# Altium PCB WiPy_uEval.PcbDoc
Units mm, origin at the board's own origin, x right, y up, seen from the top; angles counter-clockwise.
Board outline 45 x 60 mm, 2 copper layers (Top Layer, Bottom Layer), stack 1.621 mm thick; 56 components, 55 nets, 244 pads, 196 vias.
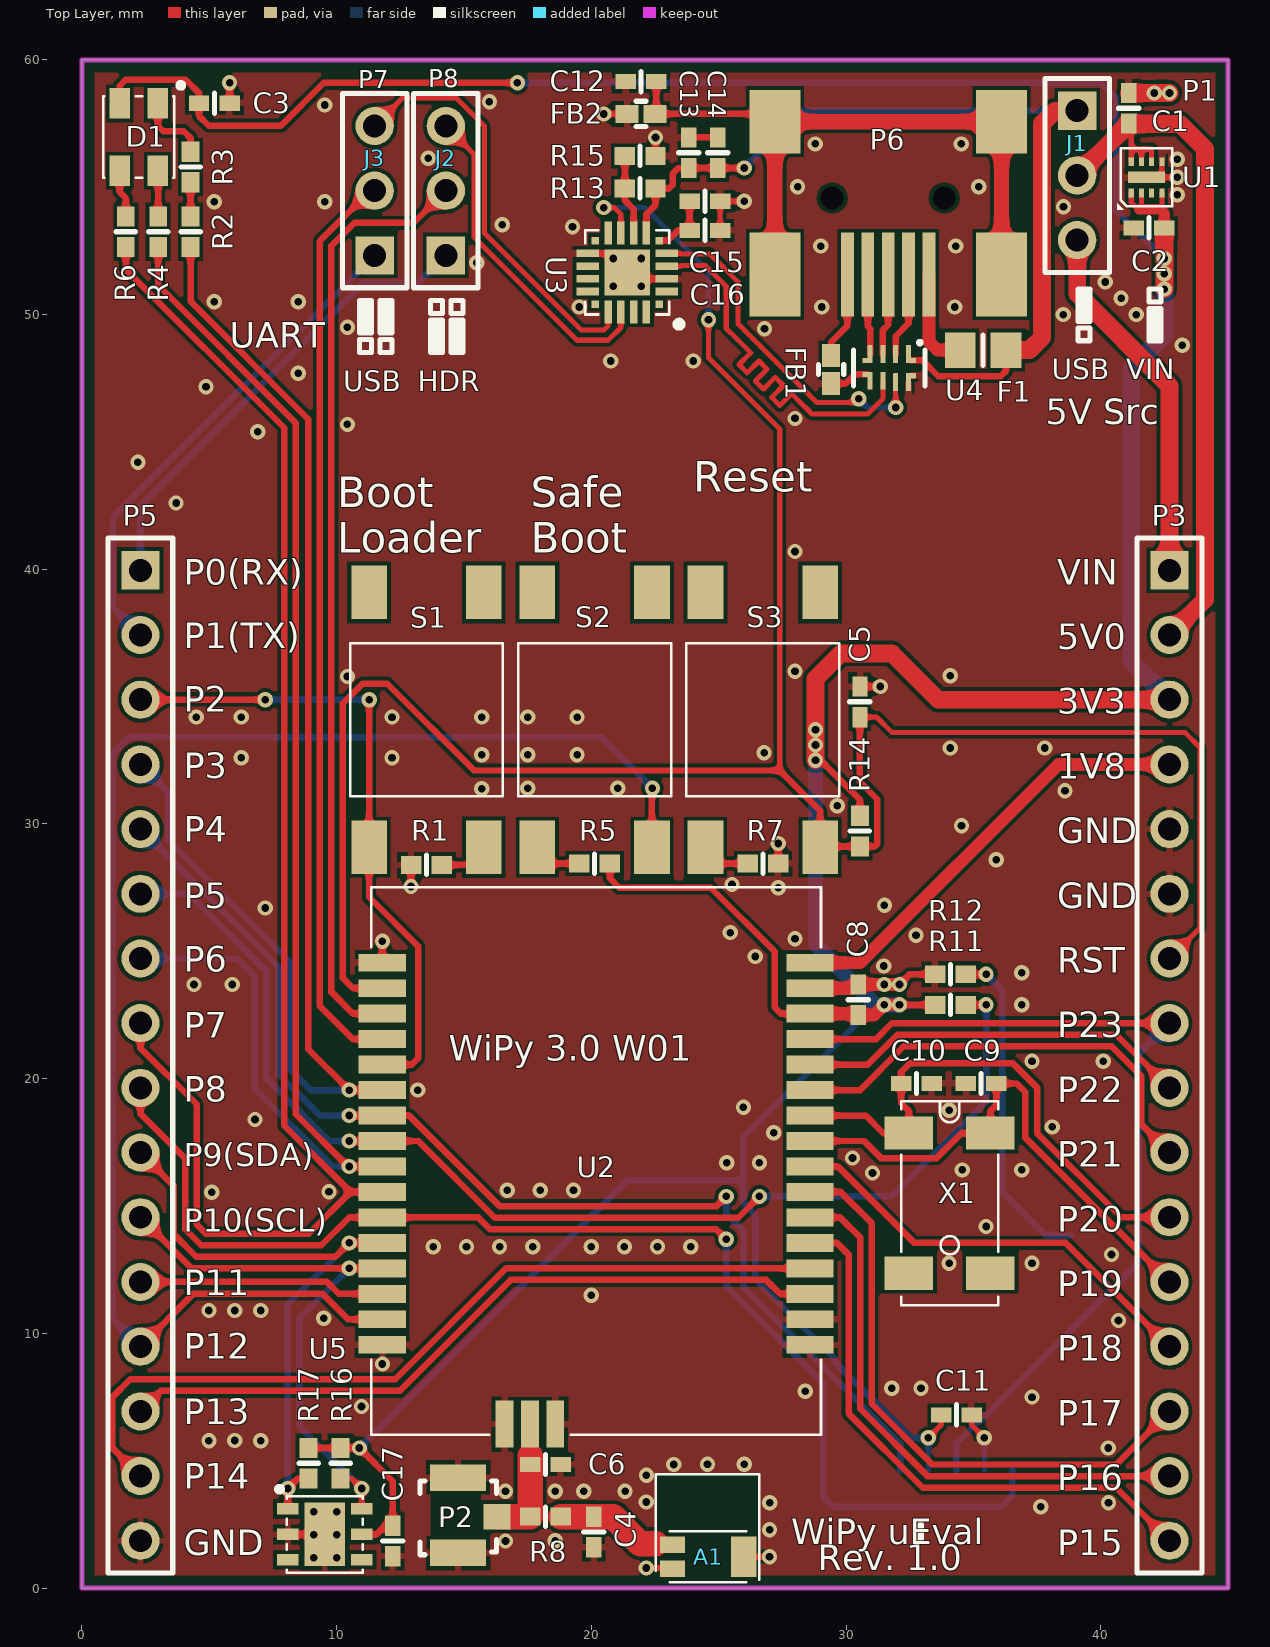
[diagram p0: Top Layer view]
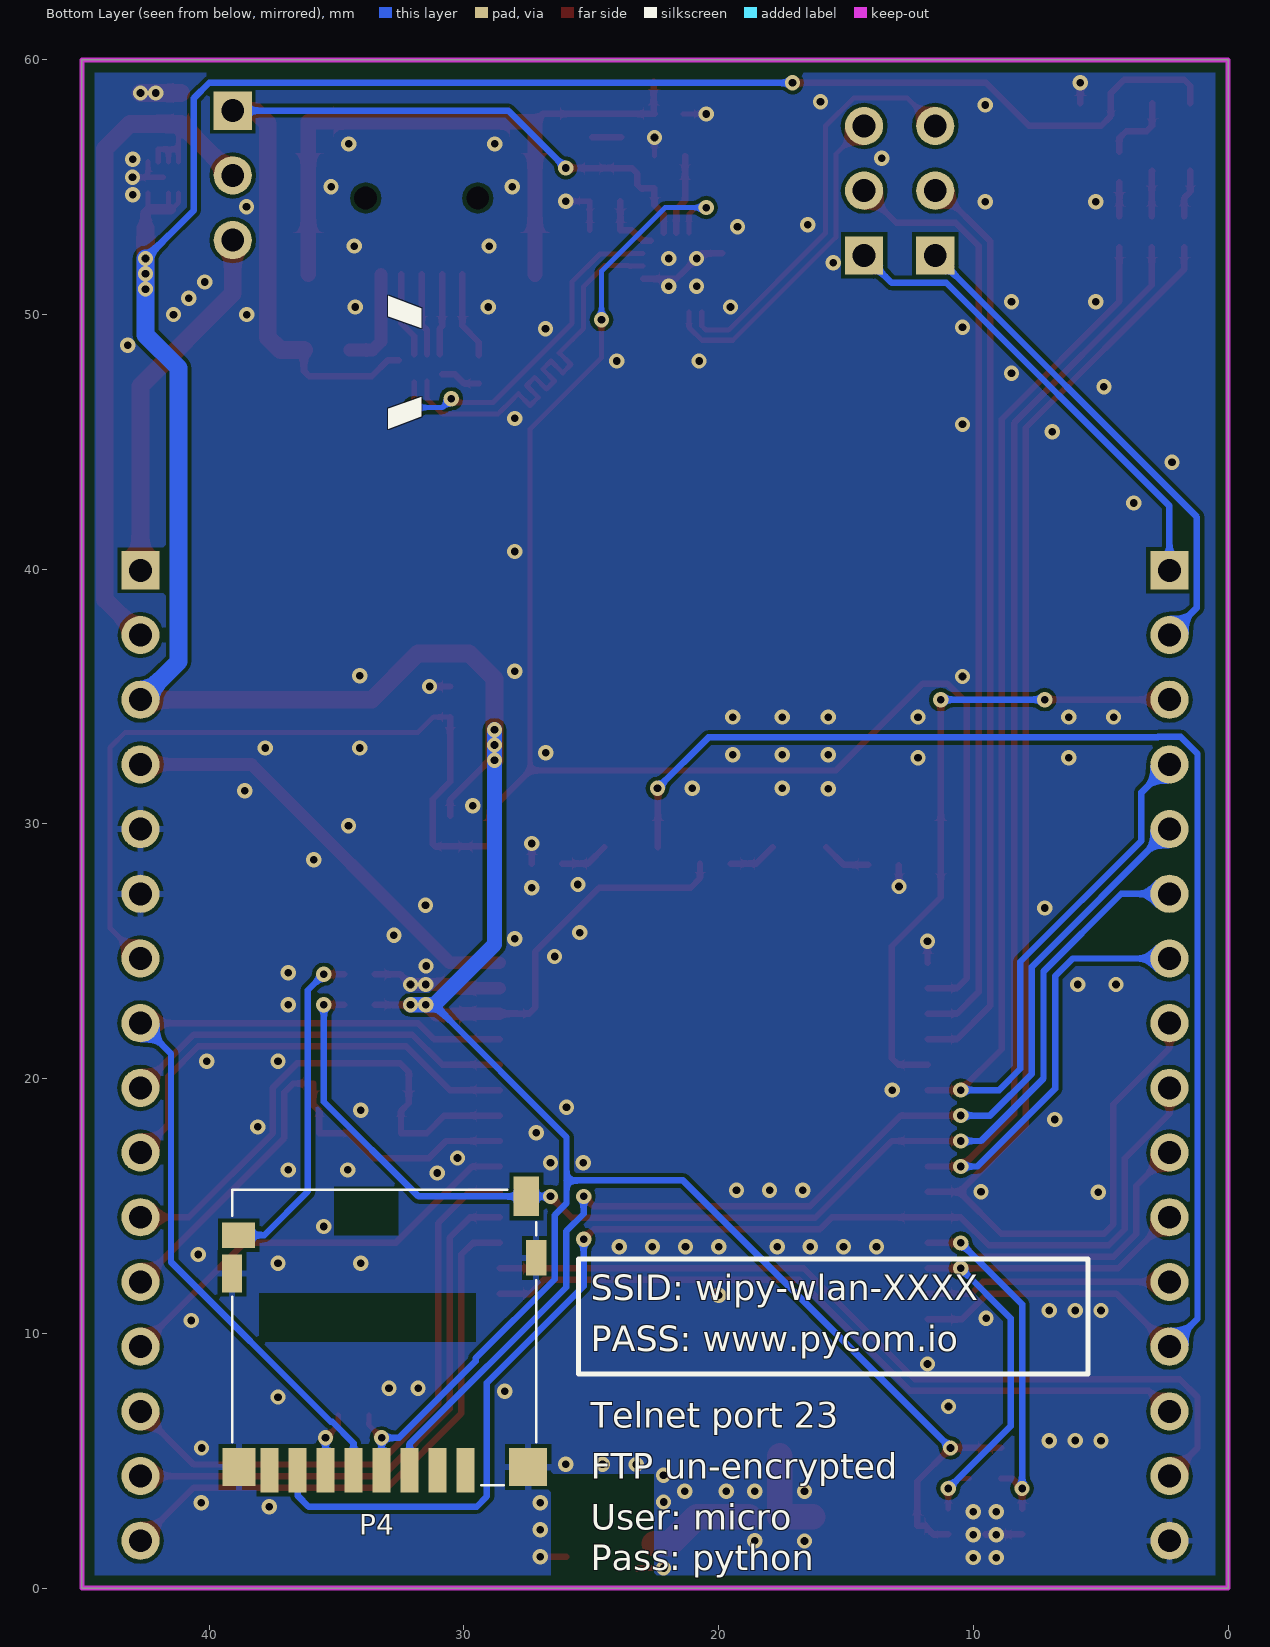
[diagram p1: Bottom Layer view, seen from below]

## Layer stack, top to bottom
Top Solder: solder mask 0.0102, Solder Resist, Dk 3.5
Top Layer: signal copper 0.0356
Dielectric 1: dielectric 1.55, FR-4, Dk 4.8
Bottom Layer: signal copper 0.0356
Bottom Solder: solder mask 0.0102, Solder Resist, Dk 3.5

## Board outline
0,0 0,60 45,60 45,0

## Design rules (kind name [scope] priority, off if disabled: settings)
BoardOutlineClearance [All] p1: gap=0.5 ignorepadtopadclearanceinfootprint=FALSE
Clearance [All] p1: gap=0.152 ignorepadtopadclearanceinfootprint=FALSE
ComponentClearance ComponentClearance_J3 [InComponent('J3')] p1: gap=0 collisioncheckmode=3 verticalgap=0 showdistances=FALSE
ComponentClearance ComponentClearance_J2 [InComponent('J2')] p2: gap=0 collisioncheckmode=3 verticalgap=0 showdistances=FALSE
ComponentClearance ComponentClearance_J1 [InComponent('J1')] p3: gap=0 collisioncheckmode=3 verticalgap=0 showdistances=FALSE
ComponentClearance [All] p4: gap=0.254 collisioncheckmode=3 verticalgap=0.254 showdistances=FALSE
DiffPairsRouting [All] p1: maxlimit=0.254 minlimit=0.254 mostfreqgap=0.254 toplayer_minwidth=0.2 toplayer_maxwidth=0.5 toplayer_prefwidth=0.254 bottomlayer_minwidth=0.2 bottomlayer_maxwidth=0.5 bottomlayer_prefwidth=0.254 maxuncoupledlength=12.7
HoleSize [All] p1: absolutevalues=TRUE maxlimit=3 minlimit=0.25 maxpercent=80.000 minpercent=20.000
MinimumSolderMaskSliver [All] p1: minsoldermaskwidth=0.2
PlaneConnect [All] p1: pad.planeconnectstyle=Relief pad.reliefexpansion=0.508 pad.reliefentries=4 pad.reliefconductorwidth=0.254 pad.reliefairgap=0.254 via.planeconnectstyle=Direct via.reliefexpansion=0.508 via.reliefentries=4 via.reliefconductorwidth=0.254 via.reliefairgap=0.254
PolygonConnect [All] p1: thpad.connectstyle=Relief thpad.reliefconductorwidth=0.254 thpad.reliefentries=4 thpad.polygonreliefangle="90 Angle" thpad.airgapwidth=0.152 smdpad.connectstyle=Relief smdpad.reliefconductorwidth=0.254 smdpad.reliefentries=4 smdpad.polygonreliefangle="90 Angle" smdpad.airgapwidth=0.152 via.connectstyle=Direct via.reliefconductorwidth=0.254 via.reliefentries=4 via.polygonreliefangle="90 Angle" via.airgapwidth=0.254
RoutingVias [All] p1: holewidth=0.3 width=0.6 viastyle="Through Hole" minholewidth=0.25 minwidth=0.55 maxholewidth=0.7 maxwidth=1
SilkToSilkClearance [All] p1: silktosilkclearance=0.2
SilkToSolderMaskClearance [IsPad] p1: minsilkscreentomaskgap=0.2 clearancetoexposedcopper=TRUE
SolderMaskExpansion [All] p1: expansion=0.102
Width [All] p1: maxlimit=1 minlimit=0.152 preferedwidth=0.4
23 further rules are at their usual default settings.

## Classes and differential pairs
component class USB: C12 C13 C14 C15 C16 F1 FB1 FB2 J2 J3 P6 P7 P8 R13 R14 R15 U3 U4
component class main: A1 C1 C2 C3 C4 C5 C6 C8 C9 C10 C11 C17 D1 J1 P1 P2 P3 P4 P5 R1 R2 R3 R4 R5 R6 R7 R8 R11 R12 R16 R17 S1 S2 S3 U1 U2 U5 X1
differential pair USB_D: +USB_D_P -USB_D_N

## Components (designator, comment, footprint, x,y, rotation, side; value= is the part's Value field where it differs from the comment)
A1 "ANT_W3008" W3008 24.585,1.237 r0 top
C1 "Capacitor" CAPC1005N 41.1,58.1 r270 top value=2.2u
C2 "Capacitor" CAPC1005N 41.9,53.4 r0 top value=2.2u
C3 "100n" CAPC1005N 5.2,58.3 r180 top
C4 "Capacitor" CAPC1005N 20.1,2.2 r270 top value=DNP
C5 "100p" CAPC1005N 30.546,34.798 r270 top
C6 "Capacitor" CAPC1005N 18.2,4.854 r180 top value=DNP
C8 "100n" CAPC1005N 30.48,23.1 r270 top
C9 "10p" CAPC1005N 35.306,19.812 r0 top
C10 "10p" CAPC1005N 32.766,19.812 r180 top
C11 "100n" CAPC1005N 34.333,6.8 r180 top
C12 "100n" CAPC1005N 21.951,59.147 r0 top
C13 "Capacitor" CAPC1005N 23.825,56.353 r270 top value=2.2u
C14 "100n" CAPC1005N 24.968,56.353 r270 top
C15 "Capacitor" CAPC1005N 24.46,54.448 r180 top value=2.2u
C16 "100n" CAPC1005N 24.46,53.305 r180 top
C17 "100n" CAPC1005N 12.203,1.856 r90 top
D1 "RGB LED" PLCC-4 2.234,56.969 r180 top
F1 "PTC Fuse" RESC2012N 35.382,48.606 r180 top
FB1 "120@100MHz" INDC1005N 29.413,47.844 r270 top
FB2 "120@100MHz" INDC1005N 21.951,57.877 r180 top
J1 "Jumper" JUMPER-B 39.076,56.734 r270 top
J2 "Jumper" JUMPER-B 14.289,56.134 r90 top
J3 "Jumper" JUMPER-B 11.495,56.138 r90 top
P1 "Header 1x3" "Header 1x3, Male, 2.54mm, Straight, THT" 39.076,55.464 r270 top
P2 "U.FL-R-SMT-1(10)" U.FL-R-SMT-1(10) 14.775,2.812 r90 top
P3 "Header 16" HDR1X16 42.7,39.96 r270 top
P4 "micro SD" 1140084168 33.133,13.855 r180 bottom
P5 "Header 16" HDR1X16 2.3,39.96 r270 top
P6 "USB_mini" MUSB-B5-S-RA-TSMT-CS1 31.658,59.825 r270 top
P7 "Header 1x3" "Header 1x3, Male, 2.54mm, Straight, THT" 11.495,54.864 r90 top
P8 "Header 1x3" "Header 1x3, Male, 2.54mm, Straight, THT" 14.289,54.864 r90 top
R1 "Resistor" RESC1005N 13.528,28.392 r180 top value=1k
R2 "Resistor" RESC1005N 4.266,53.251 r270 top value=150
R3 "Resistor" RESC1005N 4.266,55.791 r270 top value=150
R4 "Resistor" RESC1005N 2.996,53.251 r270 top value=150
R5 "Resistor" RESC1005N 20.132,28.448 r0 top value=1k
R6 "Resistor" RESC1005N 1.726,53.251 r270 top value=150
R7 "Resistor" RESC1005N 26.736,28.448 r0 top value=1k
R8 "Resistor" RESC1005N 18.2,2.812 r180 top value=0
R11 "Resistor" RESC1005N 34.1,22.9 r180 top value=22k
R12 "Resistor" RESC1005N 34.1,24.1 r180 top value=1k
R13 "Resistor" RESC1005N 21.92,54.956 r0 top value=22k
R14 "Resistor" RESC1005N 30.546,29.718 r90 top value=22k
R15 "Resistor" RESC1005N 21.92,56.226 r180 top value=47k
R16 "Resistor" RESC1005N 10.156,4.904 r270 top value=1k
R17 "Resistor" RESC1005N 8.901,4.904 r270 top value=1k
S1 "tact switch" 1301.9319 13.528,34.092 r270 top
S2 "tact switch" 1301.9319 20.132,34.092 r90 top
S3 "tact switch" 1301.9319 26.736,34.092 r90 top
U1 "NCP186AMX330TAG" XDFN8 41.8,55.39 r0 top value=3.3V
U2 "WiPy W01" WiPy_W01 20.193,16.764 r270 top
U3 "CP2102N" QFN-20 21.412,51.654 r180 top
U4 "ECMF02-4CMX8" uQFN-8 31.7,47.9 r270 top
U5 "SI7006-A20-IM" DFN6 9.536,2.11 r0 top
X1 "32.768 kHz" MC-306 34.071,15.113 r270 top

## Footprints (in the part's own frame and the unit in brackets; to place one, negate y for a bottom-side part, rotate by r counter-clockwise, add the part's x,y. Pads: shape width x height; smd on the part's side, far side on the other; paste and mask are expansions set on the pad)
1301.9319 [mm]
  rect 2.1x1.4 smd: 1(-5,2.25) 1(5,2.25) 2(-5,-2.25) 2(5,-2.25)
  silkscreen extent -3,-3 3,3, body extent -4.5,-3.1 4.5,3.1, height 9.51
1140084168 [mm] "Memory Card Connectors Micro SD 8 Pin PCB Gold"
  rect 0.7x1.75 smd: 1(3.2,-9.225) 2(2.1,-9.225) 3(1,-9.225) 4(-0.1,-9.225) 5(-1.2,-9.225) 6(-2.3,-9.225) 7(-3.4,-9.225) 8(-4.5,-9.225)
  rect 1.3x1 smd: 9(-5.715,0)
  rect 1x1.55 smd: 10(5.588,1.524)
  rect 0.8x1.5 smd: MH(-5.975,-1.5)
  rect 1.3x1.5 smd: MH(-5.7,-9.1)
  rect 1.5x1.5 smd: MH(5.65,-9.1)
  rect 0.8x1.4 smd: MH(5.969,-0.889)
  silkscreen extent -5.97,-9.82 5.97,1.78, body extent -6,-13.82 6,1.78, height 1.6
CAPC1005N [mm] "Chip Capacitor, Body 1.0x0.5mm, IPC Medium Density"
  rect 0.8x0.6 smd: 1(-0.6,0) 2(0.6,0)
  silkscreen extent 0,-0.4 0,0.4, body extent -0.5,-0.25 0.5,0.25, height 0.6
DFN6 [mm] "vented dfn6 3x3mm"
  rect 1.6x2.5 smd: 0(0,0)
  rect 0.85x0.45 smd: 1(-1.45,1) 2(-1.45,0) 3(-1.45,-1) 4(1.45,-1) 5(1.45,0) 6(1.45,1)
  silkscreen extent -1.88,-1.5 1.5,1.88, body extent -1.5,-1.5 1.5,1.5, height 0.79
HDR1X16 [mm] "Connector; Header; 16 Position"
  rect 1.5x1.5 hole 0.9: 1(0,0)
  round 1.5 hole 0.9: 2(2.54,0) 3(5.08,0) 4(7.62,0) 5(10.16,0) 6(12.7,0) 7(15.24,0) 8(17.78,0) 9(20.32,0) 10(22.86,0) 11(25.4,0) 12(27.94,0) 13(30.48,0) 14(33.02,0) 15(35.56,0) 16(38.1,0)
  silkscreen extent -1.27,-1.27 39.37,1.27, body extent -1.52,-1.27 39.62,1.27, height 8.5
"Header 1x3, Male, 2.54mm, Straight, THT" [mm]
  rect 1.5x1.5 hole 0.9: 1(-2.54,0)
  round 1.5 hole 0.9: 2(0,0) 3(2.54,0)
  silkscreen extent -3.81,-1.27 3.81,1.27, body extent -3.71,-1.25 3.91,1.25, height 9.4
INDC1005N [mm] "Chip Inductor, Body 1.0x0.5mm, IPC Medium Density"
  rect 0.9x0.7 smd: 1(-0.55,0) 2(0.55,0)
  silkscreen extent -0.2,-0.5 0.2,0.5, body extent -0.5,-0.25 0.5,0.25, height 0.6
JUMPER-B [mm]
  body extent -2.5,-1.2 2.5,1.2, height 8.6
MC-306 [mm]
  rect 1.3x1.9 smd: 1(-2.75,-1.6) 2(2.75,-1.6) 3(2.75,1.6) 4(-2.75,1.6)
  silkscreen extent -4,-1.91 4,1.91, body extent -4,-1.9 4,1.9, height 2.54
MUSB-B5-S-RA-TSMT-CS1 [mm] "USB B mini; SMT"
  rect 2.5x2 smd: 0(2.25,4.45) 0(2.25,-4.45)
  rect 3.3x2 smd: 0(8.25,4.45) 0(8.25,-4.45)
  rect 3.3x0.5 smd: 1(8.25,1.6) 2(8.25,0.8) 3(8.25,0) 4(8.25,-0.8) 5(8.25,-1.6)
  round 0 hole 0.9 unplated: 6(5.25,2.2) 6(5.25,-2.2)
  body extent -0.65,-5.35 8.55,5.35, height 3.95
PLCC-4 [mm] "LED; SMD; 3528,PLCC4; RGB; 3,5x2,8x1,9mm; 115°; 20mA; common anode"
  rect 0.8x1.2 smd: 1(-0.75,-1.32) 2(-0.75,1.32) 3(0.75,1.32) 4(0.75,-1.32)
  silkscreen extent -1.75,-2.13 1.4,1.6, body extent -1.4,-1.75 1.4,1.75, height 1.9
QFN-20 [mm]
  rect 0.3x0.3 smd: 1(-1.25,1.25) 6(-1.25,-1.25) 11(1.25,-1.25) 16(1.25,1.25)
  rect 0.9x0.3 smd: 2(-1.55,0.75) 3(-1.55,0.25) 4(-1.55,-0.25) 5(-1.55,-0.75) 12(1.55,-0.75) 13(1.55,-0.25) 14(1.55,0.25) 15(1.55,0.75)
  rect 0.3x0.9 smd: 7(-0.75,-1.55) 8(-0.25,-1.55) 9(0.25,-1.55) 10(0.75,-1.55) 17(0.75,1.55) 18(0.25,1.55) 19(-0.25,1.55) 20(-0.75,1.55)
  rect 1.8x1.8 smd: EP(0,0)
  silkscreen extent -2.16,-1.65 1.65,2.16, body extent -1.51,-1.51 1.51,1.51, height 0.75
RESC1005N [mm] "Chip Resistor, Body 1.1x0.5mm, IPC Medium Density"
  rect 0.8x0.7 smd: 1(-0.6,0) 2(0.6,0)
  silkscreen extent 0,-0.38 0,0.38, body extent -0.5,-0.25 0.5,0.25, height 0.35
RESC2012N [mm] "Chip Resistor, Body 2.0x1.3mm, IPC Medium Density"
  rect 1.2x1.4 smd: 1(-0.9,0) 2(0.9,0)
  silkscreen extent 0,-0.6 0,0.6, body extent -1.07,-0.7 1.07,0.7, height 0.65
U.FL-R-SMT-1(10) [mm] "U.FL-R-SMT-1(10)"
  rect 1x1.05 smd: 1(0,-1.525)
  rect 1.05x2.2 smd: 2(-1.425,0) 3(1.525,0)
  Top Layer pour cut-out: -0.8,1.1 -0.8,-0.9 0.9,-0.9 0.9,1.1
  silkscreen extent -1.5,-1.5 1.4,1.5, body extent -1.5,-1.55 1.5,1.55, height 1.25
uQFN-8 [mm]
  rrect20% 0.7x0.2 smd: 1(-0.55,0.75) 2(-0.55,0.25) 3(-0.55,-0.25) 4(-0.55,-0.75) 5(0.5,-0.75) 6(0.5,-0.25) 7(0.55,0.25) 8(0.55,0.75)
  rrect20% 0.2x0.4 smd: 1(-0.3,0.85) 4(-0.3,-0.85) 5(0.25,-0.85) 8(0.3,0.85)
  silkscreen extent -1.05,-1.4 0.7,1.4, body extent -0.6,-1.25 0.6,1.25, height 0.55
W3008 [mm]
  rect 1x0.65 smd mask+0: 1(-1.397,0.47) 3(-1.397,-0.47)
  rect 1x1.6 smd mask+0: 2(1.4,0)
  silkscreen extent -1.5,-1 1.5,1, body extent -1.6,-0.8 1.6,0.8, height 1
WiPy_W01 [mm]
  rect 0.7x1.85 smd: 1(-7.79,-8.4) 2(-6.79,-8.4) 3(-5.79,-8.4) 4(-4.79,-8.4) 5(-3.79,-8.4) 6(-2.79,-8.4) 7(-1.79,-8.4) 8(-0.79,-8.4) 9(0.21,-8.4) 10(1.21,-8.4) 11(2.21,-8.4) 12(3.21,-8.4) 13(4.21,-8.4) 14(5.21,-8.4) 15(6.21,-8.4) 16(7.21,-8.4) 20(7.21,8.4) 21(6.21,8.4) 22(5.21,8.4) 23(4.21,8.4) 24(3.21,8.4) 25(2.21,8.4) 26(1.21,8.4) 27(0.21,8.4) 28(-0.79,8.4) 29(-1.79,8.4) 30(-2.79,8.4) 31(-3.79,8.4) 32(-4.79,8.4) 33(-5.79,8.4) 34(-6.79,8.4) 35(-7.79,8.4)
  rect 1.85x0.7 smd: 17(10.325,-3.605) 18(10.325,-2.605) 19(10.325,-1.605)
  silkscreen extent -10.75,-8.82 10.75,8.82, body extent -10.67,-8.8 10.73,8.8, height 3.5
XDFN8 [mm] "XDFN8 1.6x1.2, 0.4P"
  rect 1.44x0.44 smd: 0(0,0)
  rect 0.2x0.35 smd: 1(-0.6,-0.61) 2(-0.2,-0.61) 3(0.2,-0.61) 4(0.6,-0.61) 5(0.6,0.61) 6(0.2,0.61) 7(-0.2,0.61) 8(-0.6,0.61)
  silkscreen extent -1.14,-1.27 1.02,1.14

## Part data
A1: "Bluetooth / WLAN / WiFi  Ceramic Chip Antenna W x L x H (3.2 x 1.6 x 1.1 mm)", Manufacturer 1=PulseLarsen, Manufacturer Part Number 1=W3008, Supplier Part Number 1=673-W3008, Manufacturer 2=PulseLarsen, Manufacturer Part Number 2=W3008, Supplier 1=Mouser, Supplier 2=Farnell, Supplier Part Number 2=2897223
C1 C2 C13 C15: "0402 SMD Capacitor", Manufacturer 1=MURATA, Manufacturer Part Number 1=GRM155R60J225ME95D, Manufacturer Part Number 2=GRT155C80J225KE01D, MaxVoltage=6.3V, Supplier Part Number 1=2362091, Tolerance=10%, Manufacturer 2=MURATA, Supplier 1=Farnell, Supplier 2=Farnell, Supplier Part Number 2=2672104
C3 C8 C11 C12 C14 C16 C17: library part Capacitor, "0402 SMD Capacitor", Manufacturer 1=Samsung, Manufacturer 2=Multicomp, Manufacturer Part Number 1=CL05B104KO5NNNC, Manufacturer Part Number 2=MC0402B104K100CT, MaxVoltage=16V, Tolerance=10%, Supplier 1=TME, Supplier 2=Farnell, Supplier Part Number 1=CL05B104KO5NNNC, Supplier Part Number 2=2627343
C4 C6: "0402 SMD Capacitor"
C5: library part Capacitor, "0402 SMD Capacitor", Manufacturer 1=Multicomp, Manufacturer 2=AVX, Manufacturer Part Number 1=MC0402B101K250CT, Manufacturer Part Number 2=04025A101JAT2A, MaxVoltage=25V, Supplier Part Number 1=1758898, Tolerance=10%, Supplier 1=Farnell, Supplier 2=TME, Supplier Part Number 2=04025A101JAT2A
C9 C10: library part Capacitor, "0402 SMD Capacitor", Manufacturer 1=VISHAY, Manufacturer Part Number 1=VJ0402A100JXACW1BC, Manufacturer Part Number 2=VJ0402A100FXACW1BC, MaxVoltage=50V, Supplier Part Number 1=2896329, Tolerance=5%, Manufacturer 2=VISHAY, Supplier 1=Farnell, Supplier 2=TME, Supplier Part Number 2=VJ0402A100FXACW1BC
D1: library part ASMB-MTB1-0A3A2, "LED; SMD; 3528,PLCC4; RGB; 3,5x2,8x1,9mm; 115°; 20mA; Common anode", Manufacturer 1=BROADCOM, Supplier Part Number 1=2401106, Manufacturer 2=BROADCOM, Manufacturer Part Number 1=ASMB-MTB1-0A3A2, Manufacturer Part Number 2=ASMB-MTB1-0A3A2, Supplier 1=Farnell, Supplier 2=TME, Supplier Part Number 2=ASMB-MTB1-0A3A2
F1: library part SD075-16, "PTC Fuse 500mA", Manufacturer 1=ECE, Manufacturer Part Number 1=SR075-06, Max Voltage=6V, Stand Current=750mA, Supplier 1=TME, Supplier Part Number 1=SR075-06
FB1 FB2: library part Inductor, "Ferrite Bead", Manufacturer 1=Murata, Manufacturer Part Number 1=BLM15PD121SN1D, Max Current=1.3A, Tolerance=25%, Manufacturer 2=Murata, Manufacturer Part Number 2=BLM15PD121SN1D, Supplier 1=TME, Supplier 2=Farnell, Supplier Part Number 1=BLM15PD121SN1D, Supplier Part Number 2=2443229
J1 J2 J3: library part "Header Jumper Black", "1x2, 2.54mm Black header jumper", Manufacturer 1=Multicomp, Manufacturer 2=NINIGI, Manufacturer Part Number 1=MC-2228CG, Manufacturer Part Number 2=JUMPER-B, Supplier Part Number 1=2834673, Pin Count=0, SMD=No, Socket=No, Supplier 1=Farnell, Supplier 2=TME, Supplier Part Number 2=JUMPER-B
P1 P7 P8: "Pin header, 1x3, 2.54mm", Manufacturer 1=CONNFLY, Manufacturer Part Number 1=DS1021-1*3SF1-1, Supplier Part Number 1=ZL201-03G, Supplier 1=TME
P2: "Hirose UFL connector", Manufacturer 1=Hirose, Supplier Part Number 1=1688077, Manufacturer Part Number 1=U.FL-R-SMT-1(10), Supplier 1=Farnell, Supplier 2=RS-Components, Supplier Part Number 2=557-981
P3 P5: "Header, 16-Pin", Manufacturer 1=CONNFLY, Manufacturer 2=Harwin, Manufacturer Part Number 1=DS1023-1*16S21, Manufacturer Part Number 2=M20-7821646, Supplier Part Number 1=ZL262-16SG, Pin Count=17-Jul-2002, Supplier 1=TME, Supplier 2=Mouser, Supplier Part Number 2=855-M20-7821646
P4: library part 1140084168, "Memory Card Connectors Micro SD 8 Pin PCB Gold", Manufacturer 1=Amphenol, Supplier Part Number 1=523-114-00841-68, Manufacturer 2=Amphenol, Manufacturer Part Number 1=1140084168, Manufacturer Part Number 2=1140084168, Pin Count=10, SMD=Yes, Socket=No, Supplier 1=Mouser, Supplier 2=Farnell, Supplier Part Number 2=2666772
P6: library part MUSB-B5-S-RA-TSMT-CS1, "Gniazdo; USB B mini; SMT; poziome; V: USB 2.0; z³ocony", Manufacturer 1="ADAM TECH", Supplier Part Number 1=MUSB-B5-S-RA-SMT, Manufacturer Part Number 1=MUSB-B5-S-RA-TSMT-CS1, Pin Count=5, SMD=Yes, Socket=No, Supplier 1=TME
R1 R5 R7 R12 R16 R17: "0402 Film SMD Resistor", Manufacturer 1="TE CONNECTIVITY", Manufacturer 2=VISHAY, Manufacturer Part Number 1=CRG0402J1K0, Manufacturer Part Number 2=CRCW04021K00FKTDBC, Power=0.1W, Supplier Part Number 1=1174154, Tolerance=1%, Supplier 1=Farnell, Supplier 2=TME, Supplier Part Number 2=CRCW04021K00FKTDBC
R2 R3 R4 R6: "0402 Film SMD Resistor", Manufacturer 1="TE CONNECTIVITY", Manufacturer 2=YAGEO, Manufacturer Part Number 1=CRGCQ0402F150R, Manufacturer Part Number 2=RC0402FR-07150R, Power=0.1W, Supplier Part Number 1=2861390, Tolerance=1%, Supplier 1=Farnell, Supplier 2=TME, Supplier Part Number 2=RC0402FR-07150R
R8: "0402 Film SMD Resistor", Manufacturer 1=Panasonic, Manufacturer Part Number 1=ERJ-2GE0R00X, Power=0.1W, Supplier Part Number 1=ERJ2GE0R00X, Tolerance=1%, Supplier 1=Farnell
R11 R13 R14: "0402 Film SMD Resistor", Manufacturer 1="TE CONNECTIVITY", Manufacturer 2=VISHAY, Manufacturer Part Number 1=CRGCQ0402F22K, Manufacturer Part Number 2=CRCW040222K0FKTDBC, Power=0.1W, Supplier Part Number 1=2861416, Tolerance=1%, Supplier 1=Farnell, Supplier 2=TME, Supplier Part Number 2=CRCW040222K0FKTDBC
R15: "0402 Film SMD Resistor", Manufacturer 1="TE CONNECTIVITY", Manufacturer 2="ROYAL OHM", Manufacturer Part Number 1=CRGCQ0402F47K, Manufacturer Part Number 2=0402WGF4702TCE, Power=0.1W, Supplier Part Number 1=2861420, Tolerance=1%, Supplier 1=Farnell, Supplier 2=TME, Supplier Part Number 2=SMD0402-47K-1%
S1 S2 S3: library part 1301.9319, "TACT; SPST-NO; 2 position; 0,05A/12VDC; SMT", Manufacturer 1=Schurter, Supplier Part Number 1=1217771, Manufacturer 2=Schurter, Manufacturer Part Number 1=1301.9319, Manufacturer Part Number 2=1301.9319, Pin Count=4, SMD=Yes, Socket=No, Supplier 1=Farnell, Supplier 2=TME, Supplier Part Number 2=1301.9319
U1: "3.3V 1A LDO Voltage Regulator", Manufacturer 1="ON SEMICONDUCTOR", Max Current=1A, Supplier Part Number 1=2507590, Dropout=95mV, Manufacturer Part Number 1=NCP186AMX330TAG, Supplier 1=Farnell
U2: library part W01, "Wireless LAN Module, I2C, I2S, SPI, UART, M2M, Internet of Things", Manufacturer 1=Pycom, Supplier Part Number 1=2834998, Manufacturer 2=Pycom, Manufacturer Part Number 1=W01, Manufacturer Part Number 2=W01, Pin Count=35, SMD=Yes, Socket=No, Supplier 1=Farnell, Supplier 2=Mouser, Supplier Part Number 2=365-W01
U3: "USB Interface IC USBXpress - USB to UART Bridge QFN20", Manufacturer 1="SILICON LABS", Manufacturer Part Number 1=CP2102N-A01-GQFN20, Supplier Part Number 1=2577277, Manufacturer 2="SILICON LABS", Manufacturer Part Number 2=CP2102N-A01-GQFN20, Pin Count=20, SMD=Yes, Socket=No, Supplier 1=Farnell, Supplier 2=Mouser, Supplier Part Number 2=634-CP2102NA01GQFN20
U4: "STMicroelectronics Common Mode Filter with ESD protection, USB compatible", Manufacturer 1=STMicroelectronics, Supplier Part Number 1=2629721, Manufacturer Part Number 1=ECMF02-4CMX8, Supplier 1=Farnell
U5: "I2C HUMIDITY AND TEMPERATURE SENSOR", Manufacturer 1="Silicon Labs", Supplier Part Number 1=634-SI7006-A20-IM, Manufacturer 2="Silicon Labs", Manufacturer Part Number 1=SI7006-A20-IM, Manufacturer Part Number 2=SI7006-A20-IM, Supplier 1=Mouser, Supplier 2=Farnell, Supplier Part Number 2=2473658
X1: library part "MC306 32.768000KHZ 12.5PF", "Standard Clock Oscillators 32,768kHz 20ppm -40C +85C", Manufacturer 1="Epson Timing", Supplier Part Number 1=32.768KHZ-MC306, Manufacturer 2="Epson Timing", Manufacturer Part Number 1="MC306 32.768000KHZ 12.5PF", Manufacturer Part Number 2="MC306 32.768000KHZ 12.5PF", SMD=Yes, Supplier 1=TME, Supplier 2=Farnell, Supplier Part Number 2=1216208

## Via types
v1: diameter 0.6, hole 0.3, Top Layer to Bottom Layer, tented both sides, 186 vias
v2: diameter 0.6, hole 0.3, Top Layer to Bottom Layer, tented bottom, 10 vias

## Nets (pads, with @x,y where several pads share a name; then routed paths per layer and width w, separated by ;. In a path a pad name is that pad's centre, name@x,y a point inside that pad or via, vN(x,y) a via of type N, cw(c..) or ccw(c..) an arc to the next point about the centre after c; other vN are vias at no path point)
1V8: P3.4 U2.35 | length 17.3
  Top Layer w0.5: U2.35 30.554,24.554 38.34,32.34 P3.4
3V3: C2.2 C3.2 C8.2 C11.2 C17.2 D1.4 P3.3 P4.4 R5.2 R11.2 R14.2 R16.1 R17.1 U1.1 U1.2 U1.4 U2.33 U5.5 | length 176
  Top Layer w0.2: v1(33.233,5.9) 33.733,6.4 C11.2 ; U1.1 41.2,54.4 41.481,54.119 ; 41.5,54.138 41.6,54.238 U1.2 ; 42.394,54.305 42.4,54.311 U1.4
  Top Layer w0.254: D1.4 1.484,58.984 1.716,59.216 4.084,59.216 4.6,58.7 C3.2 4.6,57.8 4.984,57.416 7.816,57.416 9.5,59.1 v1(17.1,59.1) ; R17.1 R16.1 v1(10.896,5.504) 12.203,4.197 C17.2 11.912,2.456 11.566,2.11 U5.5 ; R5.2 20.732,27.868 21.1,27.5 24.693,27.5 27.2,24.993 27.2,22.8 27.446,22.554 U2.33 ; v1(28.8,32.5) 29,32.5 30.546,30.954 R14.2 ; v1(32.1,22.9) R11.2
  Top Layer w0.4: 41.5,54.138 42.356,54.138 42.5,53.994 C2.2
  Top Layer w0.5: U2.33 C8.2@30.44,22.554 ; C8.2 31.1,22.5 v1(31.5,22.9) v1(32.1,22.9)
  Top Layer w0.7: v1(28.8,32.5) v1(28.8,33.1) v1(28.8,33.7) 28.8,35.7 29.8,36.7 31.8,36.7 33.62,34.88 P3.3 ; v1(42.5,51) C2.2
  Bottom Layer w0.2: P4.4 v1(33.233,5.9)
  Bottom Layer w0.254: v1(10.896,5.504) 21.399,16.006 25.56,16.006 25.566,16 25.973,16 ; v1(17.1,59.1) 40,59.1 40.6,58.5 40.6,54.1 v1(42.5,52.2) ; 31.169,22.9 25.973,17.704 25.973,16 ; 32.542,5.9 32.551,5.9 ; v1(33.233,5.9) 32.551,5.9 ; 25.973,16 25.973,15.11 26.437,14.646 26.437,12.131 29.542,9.026 29.542,8.9 29.551,8.9 32.551,5.9
  Bottom Layer w0.6: v1(28.8,33.7) v1(28.8,33.1) v1(28.8,32.5) 28.8,25.269 31.169,22.9 v1(31.5,22.9) v1(32.1,22.9)
  Bottom Layer w0.7: v1(42.5,52.2) v1(42.5,51.6) v1(42.5,51) 42.5,49.2 41.2,47.9 41.2,36.38 P3.3
5V0: C1.2 P1.2 P3.2 U1.6 U1.7 U1.8 | length 29.3
  Top Layer w0.2: C1.2 41.112,57.488 41.2,57.4 41.2,56.5 ; U1.8 41.2,56.5 ; U1.7 41.6,56.5 ; U1.6 42,56.5 41.6,56.5 ; 41.2,56.5 41.6,56.5
  Top Layer w0.7: P1.2 41.1,57.488 41.112,57.488 43.112,57.488 44.1,56.5 44.1,38.82 P3.2
ADC1: P5.14 U2.22 | length 28.7
  Top Layer w0.254: P5.14 3.106,7.746 12.488,7.746 16.842,12.1 26.863,12.1 27.409,11.554 U2.22
ADC2: P5.15 U2.23 | length 33
  Top Layer w0.254: P5.15 1.2,5.5 1.2,7.5 1.9,8.2 12.3,8.2 16.654,12.554 U2.23
ADC3: P3.16 U2.24 | length 22.6
  Top Layer w0.254: U2.24 29.646,13.554 30.1,13.1 30.1,6.858 33.012,3.946 40.614,3.946 P3.16
ADC4: P3.15 U2.25 | length 22.2
  Top Layer w0.254: U2.25 29.762,14.554 30.554,13.762 30.554,7.046 33.2,4.4 P3.15
ADC5: P3.14 U2.26 | length 23.6
  Top Layer w0.254: U2.26 29.786,15.554 31.008,14.332 31.008,7.234 33.388,4.854 40.614,4.854 P3.14
ADC6: P3.13 U2.27 | length 17
  Top Layer w0.254: U2.27 29.686,16.554 32.686,13.554 38.626,13.554 P3.13
BOOTLOADER: P5.3 S1.2@11.278,29.092 U2.5 | length 25.4
  Top Layer w0.254: P5.3 v1(7.2,34.88) ; v1(11.278,34.88) 11.278,29.092 11.278,27.122 13.2,25.2 13.2,20.8 12.954,20.554 U2.5
  Bottom Layer w0.254: v1(7.2,34.88) v1(11.278,34.88)
CON_RX: P5.1 P8.1 | length 18.6
  Bottom Layer w0.254: P5.1 2.3,42.487 11.06,51.247 13.212,51.247 P8.1
CON_TX: P5.2 P7.1 | length 19.6
  Bottom Layer w0.254: P5.2 1.223,38.497 1.223,42.052 P7.1
DAC1: P3.9 U2.31 | length 15.5
  Top Layer w0.254: U2.31 30.854,20.554 32.026,21.726 40.614,21.726 P3.9
DAC2: P3.10 U2.30 | length 17.7
  Top Layer w0.254: U2.30 30.554,19.554 32.272,21.272 40.426,21.272 41.6,20.098 41.6,18.2 P3.10
GND: A1.2 A1.3 C1.1 C2.1 C3.1 C4.2 C5.1 C6.1 C8.1 C9.1 C10.1 C11.1 C12.1 C13.1 C14.1 C15.1 C16.1 C17.1 FB1.2 FB2.2 P2.2 P2.3 P3.5 P3.6 P4.6 P4.MH P5.16 R1.2 R7.2 R12.2 R15.1 U1.0 U1.5 U2.1 U2.16 U2.17 U2.19 U2.20 U2.21 U2.34 U3.3 U3.12 U3.EP U4.5 U4.8 U5.0 U5.2 | length 28.3
  Top Layer w0.2: v1(20.492,57.877) FB2.2 ; R15.1 v1(22.52,56.953) ; C16.1 C15.1 v1(26,54.448) ; C11.1 34.933,6.4 v1(35.433,5.9) ; U1.0 v1(43.01,55.39) ; U1.0@42.4,55.525 U1.5
  Top Layer w0.254: C3.1 v1(5.8,59.1) ; U5.2 U5.0 ; U2.1 11.8,24.561 v1(11.8,25.4) ; v1(12.921,27.546) R1.2@12.921,28.385 ; U3.12 20.662,52.404 v2(20.866,52.2) U3.EP 21.662,51.404 U3.3 ; v1(22.162,0.79) 23.165,0.79 A1.3 ; C13.1 C14.1 ; A1.2 v1(26.999,1.237) ; R7.2 v1(27.336,29.236) ; FB1.2 29.994,47.294 30.35,47.65 U4.5@30.85,47.65 ; C5.1 v1(31.348,35.398) ; v1(32.1,23.7) 32.5,24.1 R12.2
  Top Layer w0.5: U2.34 30.32,23.554 C8.1@30.48,23.714 ; C8.1 v1(31.5,23.7) v1(32.1,23.7)
  Top Layer w0.7: C1.1 v1(42.1,58.7) v1(42.7,58.7)
  Bottom Layer w0.2: P4.6 v1(35.433,5.9)
  other v1: 16.63,1.853 18.588,1.86 27,2.293 37.643,3.2 27.001,3.349 40.308,3.349 22.162,3.381 16.63,3.8 18.588,3.8 19.7,3.8 21.327,3.8 22.163,4.437 23.234,4.855 24.561,4.866 26,4.866 40.3,5.5 4.988,5.789 6,5.796 7.023,5.789 10.978,7.132 37.3,7.5 28.4,7.728 31.8,7.85 32.943,7.85 11.8,8.8 40.7,10.508 9.5,10.6 4.988,10.9 6,10.9 7.023,10.9 20,11.5 34.048,12.755 37.3,12.755 40.426,13.1 13.8,13.4 15.1,13.4 16.4,13.4 17.7,13.4 20,13.4 21.3,13.4 22.6,13.4 23.9,13.4 35.5,14.2 5.1,15.543 9.7,15.558 16.7,15.623 18,15.623 19.3,15.623 31.043,16.3 34.562,16.419 36.9,16.419 25.32,16.7 26.6,16.7 30.254,16.886 27.164,17.88 38.1,18.107 6.8,18.4 34.052,18.765 25.973,18.88 13.184,19.554 37.3,20.691 40.1,20.691 36.9,22.9 4.4,23.7 5.9,23.7 36.9,24.165 31.486,24.427 26.44,24.8 28,25.5 32.749,25.635 25.457,25.736 7.2,26.7 31.508,26.805 27.337,27.5 25.525,27.626 35.9,28.6 34.533,29.927 29.656,30.715 38.6,31.3 15.7,31.382 17.5,31.4 21.035,31.4 6.259,32.6 12.175,32.6 15.7,32.719 17.5,32.719 19.442,32.719 26.784,32.795 34.093,32.984 37.8,32.984 4.494,34.198 6.259,34.198 12.175,34.198 15.7,34.198 17.5,34.198 19.442,34.198 10.426,35.79 34.093,35.823 28,36 28,40.7 3.7,42.6 2.2,44.2 6.9,45.4 10.426,45.688 28,45.924 4.875,47.167 8.5,47.7 20.768,48.177 24,48.177 43.2,48.8 26.8,49.441 10.426,49.5 38.524,50 41.4,50 19.532,50.3 29.05,50.3 34.266,50.3 5.2,50.5 8.5,50.5 40.8,50.638 40.18,51.277 15.5,52.039 29.012,52.688 34.304,52.688 19.26,53.444 16.5,53.527 38.537,54.238 5.2,54.43 9.536,54.43 43,54.7 28.1,55.018 35.216,55.018 43,56.1 13.6,56.135 28.793,56.7 34.523,56.7 9.536,58.227 16,58.351
  other v2: 9.1,1.2 10,1.2 9.1,2.1 10,2.1 9.1,3 10,3 20.866,51.108 21.958,51.108 21.958,52.2
LED_B: P5.8 R6.2 U2.10 | length 57.7
  Top Layer w0.254: R6.2 1.726,51.774 7.946,45.554 7.946,18.154 10.546,15.554 ; P5.8 2.3,21.2 4.508,18.992 4.508,14.278 4.87,13.916 8.908,13.916 10.546,15.554 ; U2.10 10.546,15.554
LED_G: P5.7 R4.2 U2.9 | length 54.7
  Top Layer w0.254: R4.2 2.996,51.146 8.4,45.742 8.4,18.6 10.446,16.554 v1(10.493,16.554) U2.9
  Bottom Layer w0.254: P5.7 6.096,24.72 6.792,24.024 6.792,19.608 9.846,16.554 v1(10.493,16.554)
LED_R: P5.4 R2.2 U2.6 | length 54
  Top Layer w0.254: R2.2 4.266,50.518 8.889,45.895 8.889,21.158 v1(10.493,19.554) U2.6 U2.6@11.8,19.554
  Bottom Layer w0.254: P5.4 3.4,31.24 3.4,29.342 8.154,24.588 8.154,20.388 8.988,19.554 v1(10.493,19.554)
LXO1: C9.2 P3.12 U2.28 X1.4 | length 20.9
  Top Layer w0.254: U2.28 30.704,17.554 31.372,16.886 33.556,16.886 34.533,17.863 X1.4 35.671,18.729 35.906,18.964 C9.2 36.7,19.812 37.046,19.466 37.046,17.674 P3.12
LXO2: C10.2 P3.11 U2.29 X1.1 | length 20.9
  Top Layer w0.254: U2.29 30.772,18.554 31.463,17.863 X1.1 32.471,18.729 32.166,19.034 C10.2 32.166,20.266 32.5,20.6 36.554,20.6 37.5,19.654 37.5,17.862 40.802,14.56 P3.11
MCU_RX: P8.2 U2.3 | length 37
  Top Layer w0.254: U2.3 10.646,22.554 9.797,23.403 9.797,52.697 10.7,53.6 13.025,53.6 P8.2
MCU_TX: P7.2 U2.4 | length 36
  Top Layer w0.254: P7.2 11.322,54.864 9.343,52.885 9.343,22.857 10.646,21.554 U2.4
NetA1_1: A1.1 C4.1 R8.1 | length 4.2
  Top Layer w1: R8.1 20.088,2.812 C4.1 20.862,2.8 21.918,1.744 22.529,1.744
NetC6_2: C6.2 P2.1 R8.2 U2.18 | length 3.7
  Top Layer w0.9: C6.2@17.588,4.866 C6.2
  Top Layer w1: P2.1 R8.2 C6.2 17.6,5.2
NetC12_2: C12.2 FB2.1 P6.0 | length 27
  Top Layer w0.254: C12.2 22.551,57.927 FB2.1 26.906,57.877 P6.0@27.208,57.575
  Top Layer w0.6: P6.0@27.208,51.575 27.208,57.575 36.108,57.575 P6.0@36.108,51.575
NetD1_1: D1.1 R3.1 | length 2.9
  Top Layer w0.254: D1.1 2.984,57.416 3.2,57.2 4,57.2 4.266,56.934 R3.1
NetD1_2: D1.2 R4.1 | length 1.8
  Top Layer w0.254: D1.2 2.996,55.637 R4.1
NetD1_3: D1.3 R6.1 | length 1.9
  Top Layer w0.254: D1.3 1.484,54.816 1.726,54.574 R6.1
NetF1_2: F1.2 P6.1 | length 4
  Top Layer w0.5: P6.1 33.258,48.942 33.594,48.606 F1.2
NetFB1_1: FB1.1 P6.5 | length 3.4
  Top Layer w0.254: FB1.1 29.413,48.913 30.058,49.558 P6.5
NetP4_9: P4.9 R12.1 | length 13
  Top Layer w0.254: R12.1 v1(35.5,24.1)
  Bottom Layer w0.254: v1(35.5,24.1) 36.127,23.473 36.127,15.573 37.845,13.855 P4.9
NetP6_2: P6.2 U4.2 | length 3.3
  Top Layer w0.254: U4.2 31.95,49.15 32.458,49.658 P6.2
NetP6_3: P6.3 U4.3 | length 3.2
  Top Layer w0.254: U4.3 31.45,49.392 31.658,49.6 P6.3
NetP6_4: P6.4 U4.4 | length 3.2
  Top Layer w0.254: P6.4 30.858,49.542 30.95,49.45 U4.4@30.95,48.45
NetR1_1: R1.1 S1.1@15.778,29.092 | length 1.9
  Top Layer w0.254: R1.1 15.078,28.392 S1.1@15.778,29.092
NetR2_1: R2.1 R3.2 | length 1.3
  Top Layer w0.254: R2.1 R3.2
NetR5_1: R5.1 S2.1@17.882,29.092 | length 1.9
  Top Layer w0.254: S2.1@17.882,29.092 18.526,28.448 R5.1
NetR7_1: R7.1 S3.1@24.486,29.092 | length 1.9
  Top Layer w0.254: S3.1@24.486,29.092 25.13,28.448 R7.1
NetR13_1: R13.1 R15.2 U3.8 | length 3.2
  Top Layer w0.254: R15.2 R13.1 21.32,54.48 21.662,54.138 U3.8
P11: P5.12 U2.14 | length 9.7
  Top Layer w0.254: P5.12 9.622,12.02 10.088,11.554 U2.14
R\E\S\E\T\: C5.2 P3.7 R14.1 S3.2@28.986,29.092 U2.2 U3.9 | length 92.6
  Top Layer w0.2: v1(20.492,54.2) 20.9,54.2 21.162,53.938 U3.9 ; v1(24.6,49.8) 24.6,48.306 27.4,45.506 27.4,32.1 ; C5.2 31.202,34.198 31.8,33.6 43.3,33.6 43.9,33 43.9,25.92 P3.7
  Top Layer w0.254: U2.2 10.646,23.554 10.251,23.949 10.251,34.74 11.018,35.507 11.993,35.507 15.4,32.1 27.4,32.1 28.986,30.514 28.986,29.092 29.012,29.118 R14.1 31.126,29.118 31.223,29.215 31.223,30.977 30.546,31.654 C5.2
  Bottom Layer w0.2: v1(20.492,54.2) 22.1,54.2 24.6,51.7 v1(24.6,49.8)
SAFE_BOOT: P5.13 S2.2@22.382,29.092 U2.15 | length 59.1
  Top Layer w0.254: P5.13 4.386,11.566 9.434,11.566 10.446,10.554 U2.15 ; S2.2@22.382,29.092 22.382,31.382 v1(22.4,31.4)
  Bottom Layer w0.254: P5.13 1.2,10.58 1.2,32.763 1.854,33.417 2.746,33.417 2.763,33.4 20.4,33.4 v1(22.4,31.4)
SD_CD: P4.10 P5.6 R11.1 U2.8 | length 47.4
  Top Layer w0.254: v1(10.493,17.554) U2.8 13.204,17.554 16.212,14.546 25.767,14.546 v1(26.6,15.379) ; R11.1 v1(35.5,22.9)
  Bottom Layer w0.254: P5.6 4.198,27.26 7.246,24.212 7.246,20.012 9.704,17.554 v1(10.493,17.554) ; v1(26.6,15.379) P4.10 31.779,15.379 35.5,19.1 v1(35.5,22.9)
SD_CMD: P4.3 P5.5 U2.7 | length 45.3
  Top Layer w0.254: v1(10.493,18.554) U2.7 12.846,18.554 16.4,15 24.921,15 v1(25.3,15.379)
  Bottom Layer w0.254: P5.5 7.7,24.4 7.7,20.2 9.346,18.554 v1(10.493,18.554) ; v1(25.3,15.379) 25.3,14.7 25.983,14.017 25.983,11.817 32.133,5.667 P4.3
SD_DAT0: P4.7 P5.9 U2.11 | length 49
  Top Layer w0.254: P5.9 2.3,18.623 4.054,16.869 4.054,14.09 4.682,13.462 9.401,13.462 10.493,14.554 U2.11 15.562,14.554 16.024,14.092 24.908,14.092 v1(25.3,13.7)
  Bottom Layer w0.254: v1(25.3,13.7) 25.3,11.858 29.1,8.058 29.1,3.6 29.5,3.2 36.1,3.2 36.533,3.633 P4.7
SD_SCLK: P3.8 P4.5 U2.32 | length 35.4
  Top Layer w0.254: U2.32 31.174,21.554 31.8,22.18 P3.8
  Bottom Layer w0.254: P4.5 34.333,5.687 35.173,6.527 35.227,6.527 41.5,12.8 41.5,20.98 P3.8
SNS_SCL: P5.11 R16.2 U2.13 U5.6 | length 22.6
  Top Layer w0.2: R16.2 10.596,4.304 v1(10.986,3.914) U5.6
  Top Layer w0.254: P5.11 4.306,12.554 v1(10.5,12.554) U2.13
  Bottom Layer w0.254: v1(10.5,12.554) 8.54,10.594 8.54,6.36 v1(10.986,3.914)
SNS_SDA: P5.10 R17.2 U2.12 U5.1 | length 24.9
  Top Layer w0.254: P5.10 3.6,15.8 3.6,13.902 4.494,13.008 9.954,13.008 v1(10.5,13.554) U2.12 ; U5.1 v1(8.086,3.914) 8.476,4.304 R17.2
  Bottom Layer w0.254: v1(8.086,3.914) 8.086,11.14 v1(10.5,13.554)
USB_D_N: U3.5 U4.7 | length 13.6
  Top Layer w0.2: U3.5 23.512,52.404 23.535,52.381 24.661,52.381 25.754,51.288 25.754,49.646 28.856,46.544 30.35,46.544 v1(30.5,46.694) ; v1(31.95,46.35) U4.7
  Bottom Layer w0.2: v1(30.5,46.694) 30.844,46.35 v1(31.95,46.35)
USB_D_P: U3.4 U4.6 | length 16.8
  Top Layer w0.2: U3.4 23.512,51.904 23.535,51.927 24.473,51.927 25.3,51.1 25.3,49.458 25.729,49.029 26.26,48.498 25.798,48.036 26.119,47.715 26.581,48.177 26.902,47.856 26.44,47.394 26.761,47.073 27.223,47.535 27.544,47.214 27.082,46.752 27.403,46.43 27.865,46.893 28.186,46.572 28.507,46.251 28.668,46.09 30.35,46.09 30.846,46.09 31.35,46.594 31.35,46.599 31.45,46.699 U4.6
USB_RX: P7.3 U3.17 | length 16.5
  Top Layer w0.2: P7.3 12.591,58.5 14.7,58.5 15.8,57.4 15.8,53.2 19.608,49.392 20.492,49.392 20.662,49.562 U3.17
USB_TX: P8.3 U3.18 | length 13.1
  Top Layer w0.2: P8.3 15.4,56.293 15.4,53.034 19.442,48.992 20.658,48.992 21.162,49.496 U3.18
VBUS: C13.2 C14.2 F1.1 P1.1 R13.2 U3.7 U4.1 | length 36.5
  Top Layer w0.254: U3.7 22.162,53.941 22.52,54.299 R13.2 23.056,54.956 23.2,55.1 23.2,55.537 23.416,55.753 C13.2 C14.2 v1(26,55.753) ; U4.1@32.55,48.2 33,48.2 33.621,47.579 36.079,47.579 36.282,47.782 F1.1
  Top Layer w0.7: F1.1 37.206,48.606 37.7,49.1 37.7,57.5 38.204,58.004 P1.1
  Bottom Layer w0.254: v1(26,55.753) 28.251,58.004 P1.1
VDD: C15.2 C16.2 U3.6 | length 2.5
  Top Layer w0.254: U3.6 23.004,52.904 23.405,53.305 C16.2 C15.2
VIN: P1.3 P3.1 | length 14.5
  Top Layer w0.7: P1.3 39.076,50.824 42.7,47.2 P3.1
pads on no net: P4.1 P4.2 P4.8 P6.6 S1.1@15.778,39.092 S1.2@11.278,39.092 S2.1@17.882,39.092 S2.2@22.382,39.092 S3.1@24.486,39.092 S3.2@28.986,39.092 U1.3 U3.1 U3.2 U3.10 U3.11 U3.13 U3.14 U3.15 U3.16 U3.19 U3.20 U5.3 U5.4 X1.2 X1.3

## Polygon pours and split planes (outlines as drawn)
GND on Top Layer "GND_L01_P000" (solid, remove dead copper, pour order 0): 0,60 45,60 45,0 0,0
GND on Bottom Layer "GND_L02_P002" (solid, remove dead copper, pour order 2): 0,60 45,60 45,0 0,0

## Keep-outs
Keep-Out Layer:
  the board outline again, w0.2

## Other copper
Bottom Layer:
  pour cut-out: 29.533,11.569 29.533,9.664 38.033,9.664 38.033,11.569
  pour cut-out: 32.583,15.76 32.583,13.855 35.083,13.855 35.083,15.76
  pour cut-out: 22.629,5.588
Multi-Layer:
  pour cut-out: 22.529,4.488 26.593,4.487 26.593,-1.064 22.529,-1.07

## Silkscreen, mask and mechanical layers (free items; w line width, h text height)
Top Overlay:
  region: 39.103,51.003 39.573,51.003 39.573,49.733 39.103,49.733
  region: 41.897,48.971 42.367,48.971 42.367,50.241 41.897,50.241
  region: 13.695,48.514 14.165,48.514 14.165,49.784 13.695,49.784
  region: 14.495,48.514 14.965,48.514 14.965,49.784 14.495,49.784
  region: 11.698,50.546 12.168,50.546 12.168,49.276 11.698,49.276
  region: 10.898,50.546 11.368,50.546 11.368,49.276 10.898,49.276
  lines w0.1: 22.529,0.678 22.529,4.468 26.593,4.468 26.593,0.328
  lines w0.2: 10.898,48.514 11.368,48.514 11.368,49.022 10.898,49.022 10.898,48.514 ; 10.898,49.276 10.898,50.546 11.368,50.546 11.368,49.276 10.898,49.276 ; 11.698,48.514 11.698,49.022 12.168,49.022 12.168,48.514 11.698,48.514 ; 11.698,49.276 12.168,49.276 12.168,50.546 11.698,50.546 11.698,49.276 ; 13.695,48.514 14.165,48.514 14.165,49.784 13.695,49.784 13.695,48.514 ; 13.695,50.038 13.695,50.546 14.165,50.546 14.165,50.038 13.695,50.038 ; 14.495,48.514 14.495,49.784 14.965,49.784 14.965,48.514 14.495,48.514 ; 14.495,50.038 14.965,50.038 14.965,50.546 14.495,50.546 14.495,50.038 ; 39.103,48.971 39.103,49.479 39.573,49.479 39.573,48.971 39.103,48.971 ; 39.103,49.733 39.573,49.733 39.573,51.003 39.103,51.003 39.103,49.733 ; 41.897,48.971 41.897,50.241 42.367,50.241 42.367,48.971 41.897,48.971 ; 41.897,50.495 42.367,50.495 42.367,51.003 41.897,51.003 41.897,50.495
  lines w0.25: 32.932,1.912 32.932,2.5
  text "UART" at 5.8,48.7 h1
  text "USB" at 38.087,47.463 h0.8
  text "VIN" at 41.008,47.463 h0.8
  text "USB" at 10.263,46.99 h0.8
  text "HDR" at 13.184,46.99 h0.8
  text "5V Src" at 37.833,45.685 h1
  text "Reset" at 24.003,43.053 h1.2
  text "Boot / Loader" at 10.033,40.64 h1.2
  text "Safe / Boot" at 17.615,40.64 h1.2
  text "P0(RX)" at 4,39.4 h1
  text "VIN" at 38.3,39.4 h1
  text "P1(TX)" at 4,36.9 h1
  text "5V0" at 38.3,36.86 h1
  text "P2" at 4,34.4 h1
  text "3V3" at 38.3,34.32 h1
  text "P3" at 4,31.8 h1
  text "1V8" at 38.3,31.78 h1
  text "P4" at 4,29.3 h1
  text "GND" at 38.3,29.24 h1
  text "P5" at 4,26.7 h1
  text "GND" at 38.3,26.7 h1
  text "P6" at 4,24.2 h1
  text "RST" at 38.3,24.16 h1
  text "P23" at 38.3,21.62 h1
  text "P7" at 4,21.6 h1
  text "WiPy 3.0 W01" at 14.4,20.7 h1
  text "P8" at 4,19.1 h1
  text "P22" at 38.3,19.08 h1
  text "P9(SDA)" at 4,16.554 h0.9
  text "P21" at 38.3,16.54 h1
  text "P10(SCL)" at 4,14 h0.9
  text "P20" at 38.3,14 h1
  text "P11" at 4,11.5 h1
  text "P19" at 38.3,11.46 h1
  text "P12" at 4,9 h1
  text "P18" at 38.3,8.92 h1
  text "P13" at 4,6.439 h1
  text "P17" at 38.3,6.38 h1
  text "P14" at 4,3.9 h1
  text "P16" at 38.3,3.84 h1
  text "WiPy uEval" at 27.85,1.717 h1
  text "GND" at 4,1.3 h1
  text "P15" at 38.3,1.3 h1
  text "Rev. 1.0" at 28.9,0.7 h1
Bottom Overlay:
  lines w0.2: 5.5,8.4 5.5,12.925 25.5,12.925 25.5,8.4 5.5,8.4
  text "A" at 39.6,50.8 h35 r90
  text "SSID: wipy-wlan-XXXX" at 25.029,11.3 h1
  text "PASS: www.pycom.io" at 25.029,9.3 h1
  text "Telnet port 23" at 25.029,6.3 h1
  text "FTP un-encrypted" at 25.029,4.3 h1
  text "User: micro" at 25.029,2.3 h1
  text "Pass: python" at 25.029,0.7 h1
Mechanical 1:
  lines w0.1: 29.533,9.664 29.533,11.569 38.033,11.569 38.033,9.664 29.533,9.664 ; 32.583,13.855 32.583,15.76 35.083,15.76 35.083,13.855 32.583,13.855

## Dimensions
0,0 to 45,0 on PCB Dimension
0,0 to 0,60 on PCB Dimension